# KiCad board Thermal_Camera.kicad_pcb (continued)
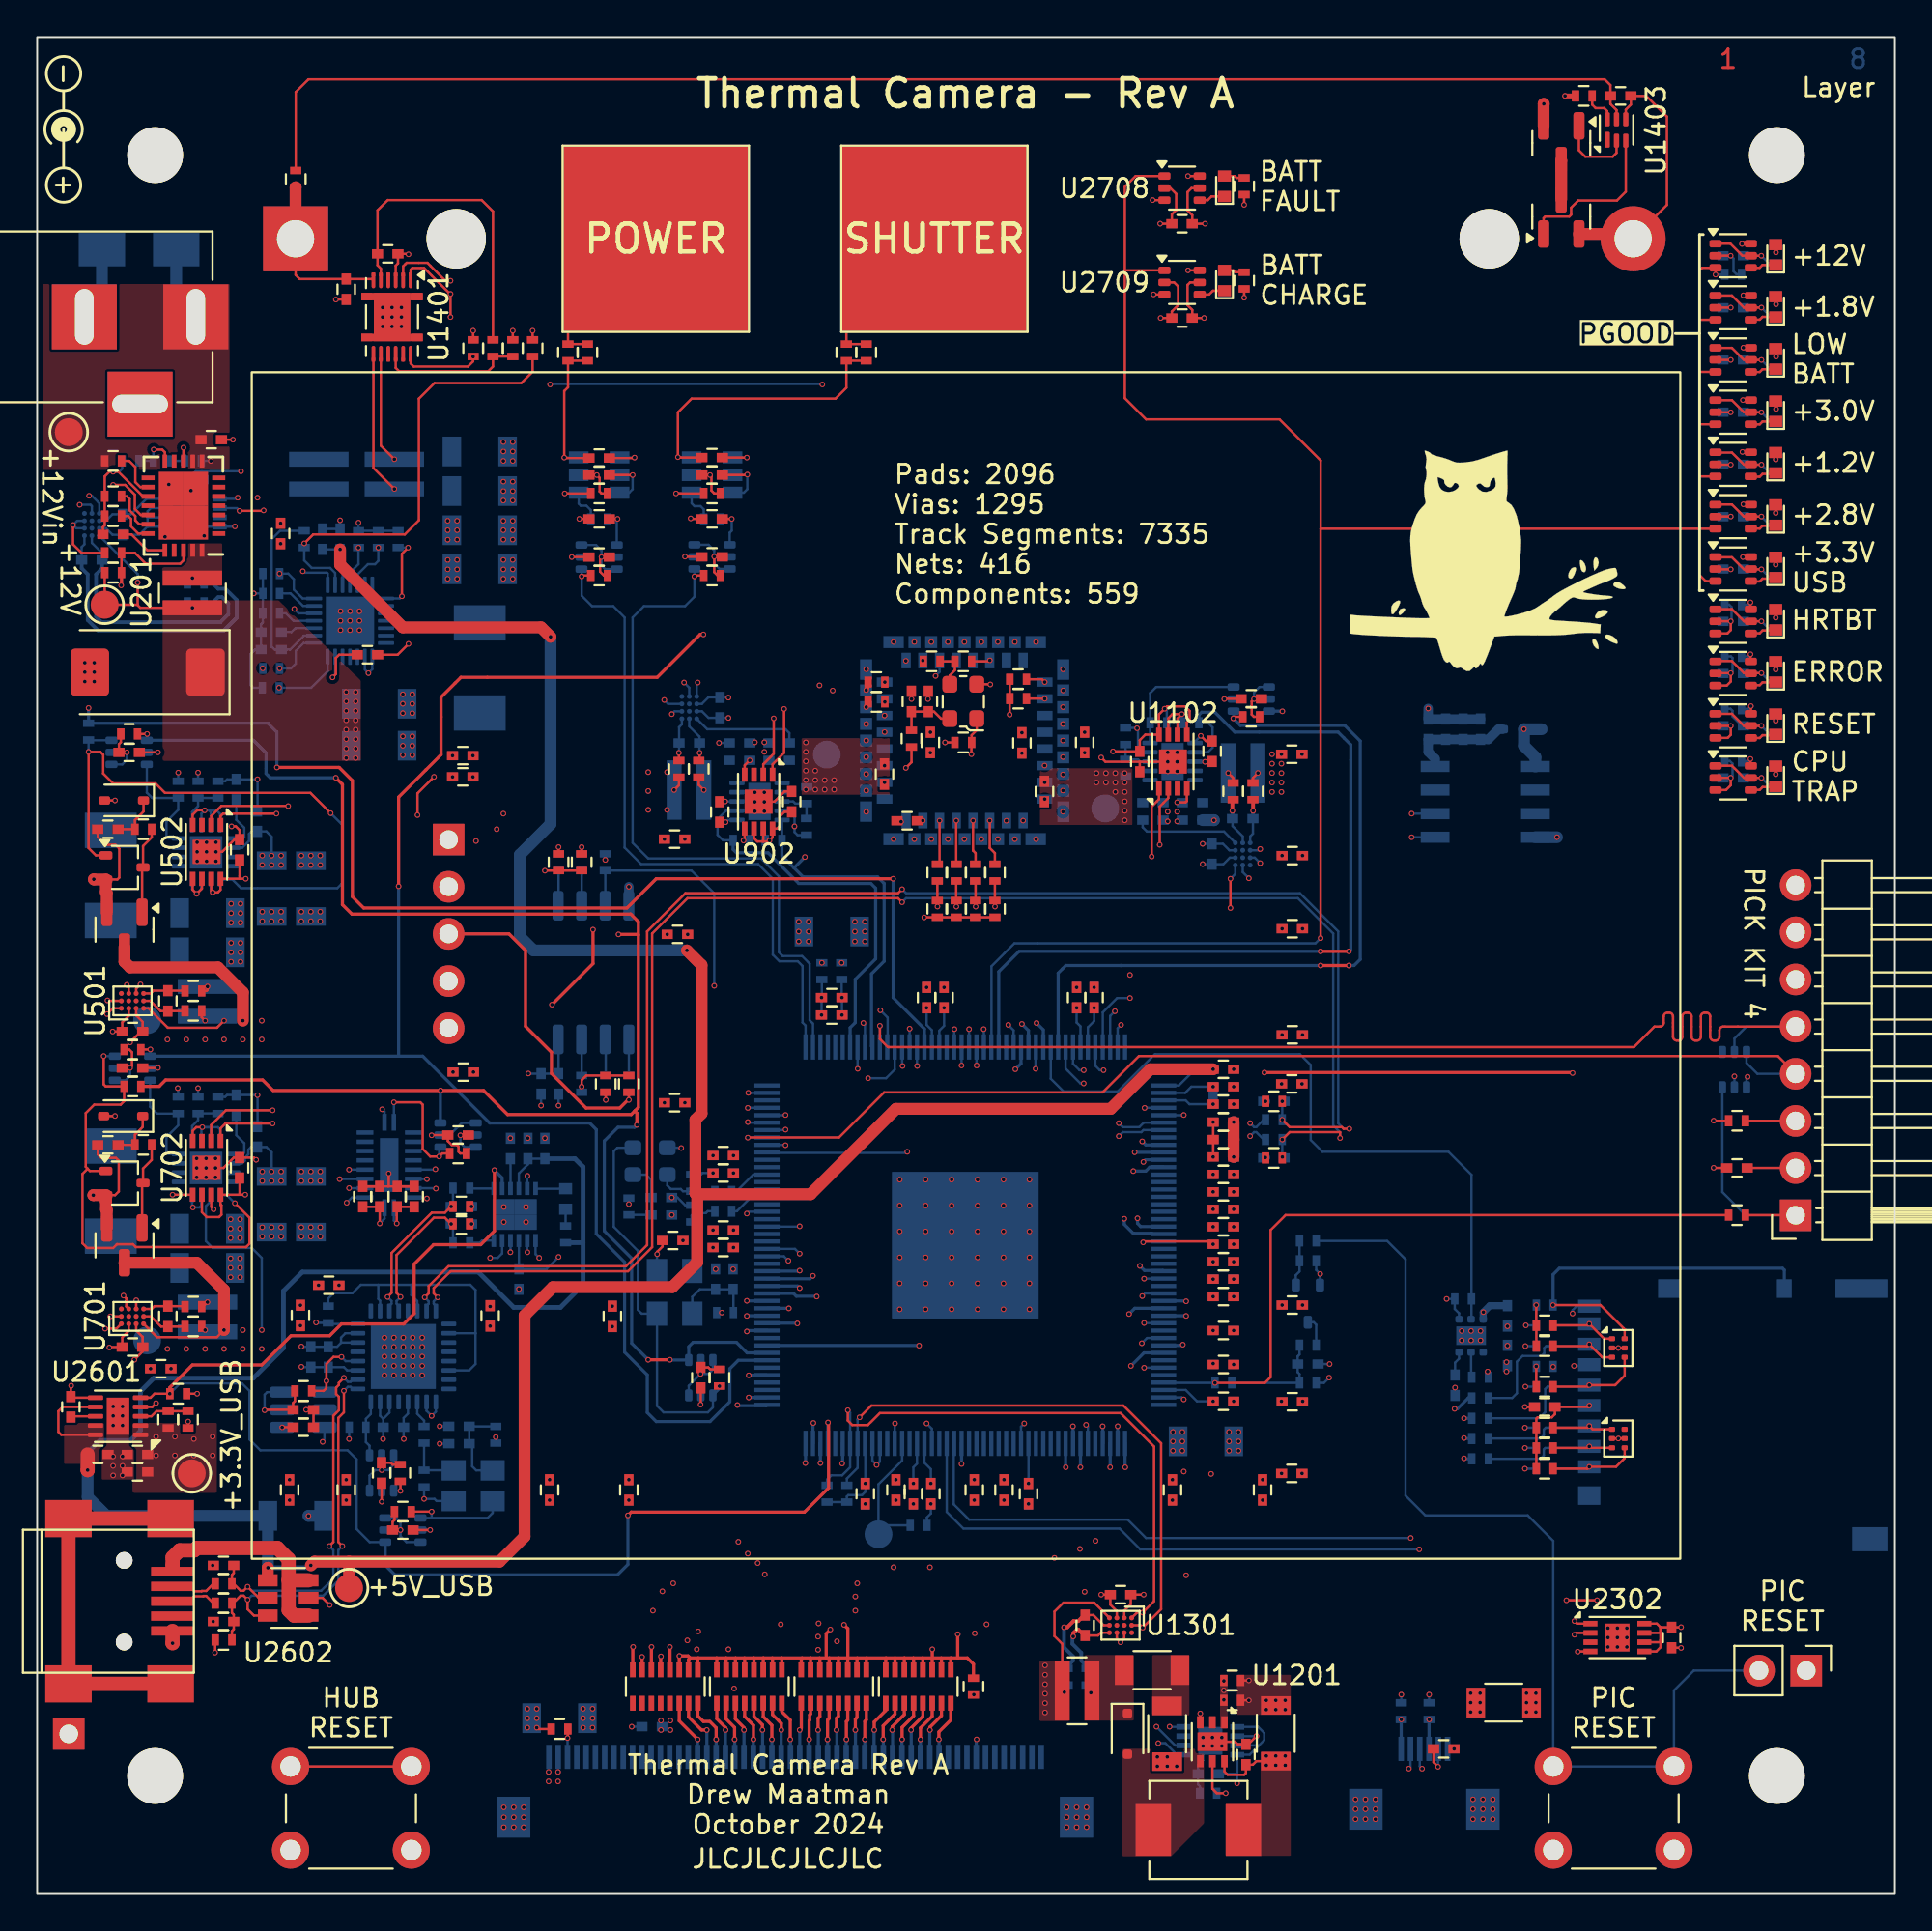
[diagram p0: board, top side]
## Routing (per net, layer and track width the routed paths; a pad name or vN(x,y) marks a point on that pad's centre or on a via; arc(x,y) is an arc through that point) (continued)
  Bottom w0.169: U1701.30 52.96,44.72 v1(52.65,44.41) ; R2008.2 v1(76.81,25.62)
SDHC_SDCK: length 42.4
  In5.Cu w0.169: v1(59.08,39.94) 59.16,39.87 62.46,39.87 63.12,39.21 67.75,39.21 arc(67.87,39.26) 67.92,39.38 67.92,39.49 arc(67.97,39.61) 68.1,39.67 68.18,39.67 arc(68.3,39.61) 68.35,39.49 68.35,39.38 arc(68.4,39.26) 68.53,39.21 68.61,39.21 arc(68.73,39.26) 68.78,39.38 68.78,39.49 arc(68.83,39.61) 68.96,39.67 69.04,39.67 arc(69.16,39.61) 69.21,39.49 69.21,39.38 arc(69.26,39.26) 69.39,39.21 69.47,39.21 arc(69.59,39.26) 69.64,39.38 69.64,39.49 arc(69.69,39.61) 69.82,39.67 69.9,39.67 arc(70.02,39.61) 70.07,39.49 70.07,39.38 arc(70.12,39.26) 70.25,39.21 70.33,39.21 arc(70.45,39.26) 70.5,39.38 70.5,39.49 arc(70.55,39.61) 70.68,39.67 70.76,39.67 arc(70.88,39.61) 70.93,39.49 70.93,39.38 arc(70.98,39.26) 71.11,39.21 71.19,39.21 arc(71.31,39.26) 71.36,39.38 71.36,39.49 arc(71.41,39.61) 71.54,39.67 71.62,39.67 arc(71.74,39.61) 71.79,39.49 71.79,39.38 arc(71.84,39.26) 71.97,39.21 72.05,39.21 arc(72.17,39.26) 72.22,39.38 72.22,39.49 arc(72.27,39.61) 72.4,39.67 72.48,39.67 arc(72.6,39.61) 72.65,39.49 72.65,39.38 arc(72.7,39.26) 72.83,39.21 72.91,39.21 arc(73.03,39.26) 73.08,39.38 73.08,39.49 arc(73.13,39.61) 73.26,39.67 73.34,39.67 arc(73.46,39.61) 73.51,39.49 73.51,39.38 arc(73.56,39.26) 73.69,39.21 73.77,39.21 arc(73.89,39.26) 73.94,39.38 73.94,39.49 arc(73.99,39.61) 74.12,39.67 74.2,39.67 arc(74.32,39.61) 74.37,39.49 74.37,39.38 arc(74.42,39.26) 74.55,39.21 74.63,39.21 arc(74.75,39.26) 74.8,39.38 74.8,39.49 arc(74.85,39.61) 74.98,39.67 75.06,39.67 arc(75.18,39.61) 75.23,39.49 75.23,39.38 arc(75.28,39.26) 75.41,39.21 80.26,39.21 81.15,38.32 81.15,28.16 81.11,28.12 81.11,27.56 80.87,27.32 v1(80.11,27.32)
  Bottom w0.127: R2004.2 v1(80.11,27.32)
  Bottom w0.169: U1701.54 60.63,39.93 59.09,39.93 v1(59.08,39.94)
SDHC_SDCMD: length 40.7
  In5.Cu w0.169: v1(59.36,33.82) 59.52,33.82 60.03,33.32 60.03,32.95 59.77,32.7 59.23,32.7 58.93,32.4 58.93,31.74 59.11,31.56 59.89,31.56 60.22,31.23 60.22,30.54 59.97,30.29 58.88,30.29 58.55,29.96 58.55,29.32 58.75,29.12 75.29,29.12 75.29,29.1 78.21,26.17 78.21,23.05 78.97,22.29 80.77,22.29 81.08,22.59 81.08,24.78 80.75,25.11 v1(80.09,25.11)
  Bottom w0.127: R2003.2 v1(80.09,25.11)
  Bottom w0.169: U1701.70 60.6,33.57 59.61,33.57 v1(59.36,33.82)
SDHC_SDDATA0: length 42.3
  In5.Cu w0.169: v1(59.23,36.39) 65.68,36.39 arc(65.8,36.43) 65.85,36.55 65.85,36.64 arc(65.9,36.76) 66.02,36.81 66.1,36.81 arc(66.22,36.76) 66.27,36.64 66.27,36.13 arc(66.32,36.01) 66.44,35.97 66.52,35.97 arc(66.64,36.01) 66.69,36.13 66.69,36.64 arc(66.74,36.76) 66.86,36.81 66.94,36.81 arc(67.06,36.76) 67.11,36.64 67.11,36.13 arc(67.16,36.01) 67.28,35.97 67.36,35.97 arc(67.48,36.01) 67.53,36.13 67.53,36.64 arc(67.58,36.76) 67.7,36.81 67.78,36.81 arc(67.9,36.76) 67.95,36.64 67.95,36.13 arc(68,36.01) 68.12,35.97 68.2,35.97 arc(68.32,36.01) 68.37,36.13 68.37,36.64 arc(68.42,36.76) 68.54,36.81 68.62,36.81 arc(68.74,36.76) 68.79,36.64 68.79,36.13 arc(68.84,36.01) 68.96,35.97 69.04,35.97 arc(69.16,36.01) 69.21,36.13 69.21,36.64 arc(69.26,36.76) 69.38,36.81 69.46,36.81 arc(69.58,36.76) 69.63,36.64 69.63,36.13 arc(69.68,36.01) 69.8,35.97 69.88,35.97 arc(70,36.01) 70.05,36.13 70.05,36.64 arc(70.1,36.76) 70.22,36.81 70.3,36.81 arc(70.42,36.76) 70.47,36.64 70.47,36.13 arc(70.52,36.01) 70.64,35.97 70.72,35.97 arc(70.84,36.01) 70.89,36.13 70.89,36.64 arc(70.94,36.76) 71.06,36.81 71.14,36.81 arc(71.26,36.76) 71.31,36.64 71.31,36.13 arc(71.36,36.01) 71.48,35.97 71.56,35.97 arc(71.68,36.01) 71.73,36.13 71.73,36.64 arc(71.78,36.76) 71.9,36.81 71.98,36.81 arc(72.1,36.76) 72.15,36.64 72.15,36.13 arc(72.2,36.01) 72.32,35.97 72.4,35.97 arc(72.52,36.01) 72.57,36.13 72.57,36.64 arc(72.62,36.76) 72.74,36.81 72.82,36.81 arc(72.94,36.76) 72.99,36.64 72.99,36.13 arc(73.04,36.01) 73.16,35.97 73.24,35.97 arc(73.36,36.01) 73.41,36.13 73.41,36.64 arc(73.46,36.76) 73.58,36.81 73.66,36.81 arc(73.78,36.76) 73.83,36.64 73.83,36.55 arc(73.88,36.43) 74,36.39 77.9,36.39 78.59,35.7 78.59,30.37 78.92,30.04 79.58,30.04 v1(80.11,29.5)
  Bottom w0.127: R2005.2 v1(80.11,29.5)
  Bottom w0.169: v1(59.23,36.39) 59.23,36.11 59.4,35.94 U1701.64
SDHC_SDDATA1: length 42.3
  In5.Cu w0.169: v1(80.14,30.62) 79.6,31.15 79.6,36.49 78.74,37.35 78.63,37.35 arc(78.54,37.39) 78.5,37.49 78.5,37.65 arc(78.46,37.75) 78.36,37.79 78.29,37.79 arc(78.2,37.75) 78.16,37.65 78.16,37.49 arc(78.12,37.39) 78.02,37.35 77.95,37.35 arc(77.86,37.39) 77.82,37.49 77.82,37.65 arc(77.78,37.75) 77.68,37.79 77.61,37.79 arc(77.52,37.75) 77.48,37.65 77.48,37.49 arc(77.44,37.39) 77.34,37.35 77.27,37.35 arc(77.18,37.39) 77.14,37.49 77.14,37.65 arc(77.1,37.75) 77,37.79 76.93,37.79 arc(76.84,37.75) 76.8,37.65 76.8,37.49 arc(76.76,37.39) 76.66,37.35 76.59,37.35 arc(76.5,37.39) 76.46,37.49 76.46,37.65 arc(76.42,37.75) 76.32,37.79 76.25,37.79 arc(76.16,37.75) 76.12,37.65 76.12,37.49 arc(76.08,37.39) 75.98,37.35 75.91,37.35 arc(75.82,37.39) 75.78,37.49 75.78,37.65 arc(75.74,37.75) 75.64,37.79 75.57,37.79 arc(75.48,37.75) 75.44,37.65 75.44,37.49 arc(75.4,37.39) 75.3,37.35 75.23,37.35 arc(75.14,37.39) 75.1,37.49 75.1,37.65 arc(75.06,37.75) 74.96,37.79 74.89,37.79 arc(74.8,37.75) 74.76,37.65 74.76,37.49 arc(74.72,37.39) 74.62,37.35 74.55,37.35 arc(74.46,37.39) 74.42,37.49 74.42,37.65 arc(74.38,37.75) 74.28,37.79 74.21,37.79 arc(74.12,37.75) 74.08,37.65 74.08,37.49 arc(74.04,37.39) 73.94,37.35 73.87,37.35 arc(73.78,37.39) 73.74,37.49 73.74,37.65 arc(73.7,37.75) 73.6,37.79 73.53,37.79 arc(73.44,37.75) 73.4,37.65 73.4,37.49 arc(73.36,37.39) 73.26,37.35 73.19,37.35 arc(73.1,37.39) 73.06,37.49 73.06,37.65 arc(73.02,37.75) 72.92,37.79 72.85,37.79 arc(72.76,37.75) 72.72,37.65 72.72,37.49 arc(72.68,37.39) 72.58,37.35 72.51,37.35 arc(72.42,37.39) 72.38,37.49 72.38,37.65 arc(72.34,37.75) 72.24,37.79 72.17,37.79 arc(72.08,37.75) 72.04,37.65 72.04,37.49 arc(72,37.39) 71.9,37.35 71.83,37.35 arc(71.74,37.39) 71.7,37.49 71.7,37.65 arc(71.66,37.75) 71.56,37.79 71.49,37.79 arc(71.4,37.75) 71.36,37.65 71.36,37.49 arc(71.32,37.39) 71.22,37.35 71.15,37.35 arc(71.06,37.39) 71.02,37.49 71.02,37.65 arc(70.98,37.75) 70.88,37.79 70.81,37.79 arc(70.72,37.75) 70.68,37.65 70.68,37.49 arc(70.64,37.39) 70.54,37.35 70.47,37.35 arc(70.38,37.39) 70.34,37.49 70.34,37.65 arc(70.3,37.75) 70.2,37.79 70.13,37.79 arc(70.04,37.75) 70,37.65 70,37.49 arc(69.96,37.39) 69.86,37.35 69.79,37.35 arc(69.7,37.39) 69.66,37.49 69.66,37.65 arc(69.62,37.75) 69.52,37.79 69.45,37.79 arc(69.36,37.75) 69.32,37.65 69.32,37.49 arc(69.28,37.39) 69.18,37.35 69.11,37.35 arc(69.02,37.39) 68.98,37.49 68.98,37.65 arc(68.94,37.75) 68.84,37.79 68.77,37.79 arc(68.68,37.75) 68.64,37.65 68.64,37.49 arc(68.6,37.39) 68.5,37.35 68.43,37.35 arc(68.34,37.39) 68.3,37.49 68.3,37.65 arc(68.26,37.75) 68.16,37.79 68.09,37.79 arc(68,37.75) 67.96,37.65 67.96,37.49 arc(67.92,37.39) 67.82,37.35 67.75,37.35 arc(67.66,37.39) 67.62,37.49 67.62,37.65 arc(67.58,37.75) 67.48,37.79 67.41,37.79 arc(67.32,37.75) 67.28,37.65 67.28,37.49 arc(67.24,37.39) 67.14,37.35 67.07,37.35 arc(66.98,37.39) 66.94,37.49 66.94,37.65 arc(66.9,37.75) 66.8,37.79 66.73,37.79 arc(66.64,37.75) 66.6,37.65 66.6,37.49 arc(66.56,37.39) 66.46,37.35 66.39,37.35 arc(66.3,37.39) 66.26,37.49 66.26,37.65 arc(66.22,37.75) 66.12,37.79 66.05,37.79 arc(65.96,37.75) 65.92,37.65 65.92,37.49 arc(65.88,37.39) 65.78,37.35 62.59,37.35 60.99,38.95 59.03,38.95 v1(59,38.93)
  Bottom w0.127: R2006.2 v1(80.14,30.62)
  Bottom w0.169: U1701.56 59.89,39.14 59.68,38.93 v1(59,38.93)
SDHC_SDDATA2: length 42.3
  In5.Cu w0.169: v1(58.52,36.36) 58.95,35.93 61.75,35.93 63.14,34.53 65.82,34.53 arc(65.99,34.6) 66.06,34.77 66.06,35.01 arc(66.13,35.18) 66.3,35.25 66.42,35.25 arc(66.59,35.18) 66.66,35.01 66.66,34.77 arc(66.73,34.6) 66.9,34.53 67.02,34.53 arc(67.19,34.6) 67.26,34.77 67.26,35.01 arc(67.33,35.18) 67.5,35.25 67.62,35.25 arc(67.79,35.18) 67.86,35.01 67.86,34.77 arc(67.93,34.6) 68.1,34.53 68.22,34.53 arc(68.39,34.6) 68.46,34.77 68.46,35.01 arc(68.53,35.18) 68.7,35.25 68.82,35.25 arc(68.99,35.18) 69.06,35.01 69.06,34.77 arc(69.13,34.6) 69.3,34.53 69.42,34.53 arc(69.59,34.6) 69.66,34.77 69.66,35.01 arc(69.73,35.18) 69.9,35.25 70.02,35.25 arc(70.19,35.18) 70.26,35.01 70.26,34.77 arc(70.33,34.6) 70.5,34.53 70.62,34.53 arc(70.79,34.6) 70.86,34.77 70.86,35.01 arc(70.93,35.18) 71.1,35.25 71.22,35.25 arc(71.39,35.18) 71.46,35.01 71.46,34.77 arc(71.53,34.6) 71.7,34.53 71.82,34.53 arc(71.99,34.6) 72.06,34.77 72.06,35.01 arc(72.13,35.18) 72.3,35.25 72.42,35.25 arc(72.59,35.18) 72.66,35.01 72.66,34.77 arc(72.73,34.6) 72.9,34.53 76.38,34.53 76.99,33.92 76.99,31.74 76.23,30.98 76.23,29.2 78.97,26.45 78.97,23.25 79.32,22.9 v1(80.09,22.9)
  Bottom w0.127: R2001.2 v1(80.09,22.9)
  Bottom w0.169: U1701.65 60.03,35.54 59.99,35.58 59,35.58 58.52,36.06 v1(58.52,36.36)
SDHC_SDDATA3: length 42.2
  In5.Cu w0.169: v1(80.09,24.02) 79.78,24.02 79.6,24.19 79.6,28.23 80.75,29.38 80.75,30.82 80.09,31.48 80.09,37.12 78.92,38.29 75.33,38.29 arc(75.22,38.33) 75.18,38.44 75.18,38.48 arc(75.14,38.59) 75.03,38.63 74.96,38.63 arc(74.85,38.59) 74.81,38.48 74.81,38.44 arc(74.77,38.33) 74.66,38.29 74.59,38.29 arc(74.48,38.33) 74.44,38.44 74.44,38.48 arc(74.4,38.59) 74.29,38.63 74.22,38.63 arc(74.11,38.59) 74.07,38.48 74.07,38.44 arc(74.03,38.33) 73.92,38.29 73.85,38.29 arc(73.74,38.33) 73.7,38.44 73.7,38.48 arc(73.66,38.59) 73.55,38.63 73.48,38.63 arc(73.37,38.59) 73.33,38.48 73.33,38.44 arc(73.29,38.33) 73.18,38.29 73.11,38.29 arc(73,38.33) 72.96,38.44 72.96,38.48 arc(72.92,38.59) 72.81,38.63 72.74,38.63 arc(72.63,38.59) 72.59,38.48 72.59,38.44 arc(72.55,38.33) 72.44,38.29 72.37,38.29 arc(72.26,38.33) 72.22,38.44 72.22,38.48 arc(72.18,38.59) 72.07,38.63 72,38.63 arc(71.89,38.59) 71.85,38.48 71.85,38.44 arc(71.81,38.33) 71.7,38.29 71.63,38.29 arc(71.52,38.33) 71.48,38.44 71.48,38.48 arc(71.44,38.59) 71.33,38.63 71.26,38.63 arc(71.15,38.59) 71.11,38.48 71.11,38.44 arc(71.07,38.33) 70.96,38.29 70.89,38.29 arc(70.78,38.33) 70.74,38.44 70.74,38.48 arc(70.7,38.59) 70.59,38.63 70.52,38.63 arc(70.41,38.59) 70.37,38.48 70.37,38.44 arc(70.33,38.33) 70.22,38.29 70.15,38.29 arc(70.04,38.33) 70,38.44 70,38.48 arc(69.96,38.59) 69.85,38.63 69.78,38.63 arc(69.67,38.59) 69.63,38.48 69.63,38.44 arc(69.59,38.33) 69.48,38.29 69.41,38.29 arc(69.3,38.33) 69.26,38.44 69.26,38.48 arc(69.22,38.59) 69.11,38.63 69.04,38.63 arc(68.93,38.59) 68.89,38.48 68.89,38.44 arc(68.85,38.33) 68.74,38.29 68.67,38.29 arc(68.56,38.33) 68.52,38.44 68.52,38.48 arc(68.48,38.59) 68.37,38.63 68.3,38.63 arc(68.19,38.59) 68.15,38.48 68.15,38.44 arc(68.11,38.33) 68,38.29 67.93,38.29 arc(67.82,38.33) 67.78,38.44 67.78,38.48 arc(67.74,38.59) 67.63,38.63 67.56,38.63 arc(67.45,38.59) 67.41,38.48 67.41,38.44 arc(67.37,38.33) 67.26,38.29 62.74,38.29 61.61,39.42 v1(59.55,39.42)
  Bottom w0.127: R2002.2 v1(80.09,24.02)
  Bottom w0.169: U1701.55 59.67,39.54 v1(59.55,39.42)
UFP_USB_D+: length 21.6
  Top w0.127: v1(16.43,18.73) 16.21,18.95 16.21,25.64 16.51,25.93 v1(16.51,27.09) ; R2606.2 10.48,14.15 10.58,14.25 C2604.1 10.58,15.03 10.48,15.13 R2602.2 10.55,15.66 10.95,16.06 11.11,16.06 v1(11.33,15.84) 11.33,15.33 11.67,14.99 U2602.6
  Bottom w0.127: v1(11.33,15.84) 11.54,16.06 15.4,16.06 16.21,16.87 16.21,18.52 v1(16.43,18.73) ; v1(16.51,27.09) 16.73,27.31 16.87,27.31 16.99,27.19 U2504.1
UFP_USB_D-: length 20.7
  Top w0.127: v1(15.73,18.73) 15.94,18.95 15.94,25.75 16.24,26.05 16.24,26.77 16.09,26.92 16.09,27.27 16.24,27.41 16.24,27.52 v1(16.51,27.79) ; U2602.5 11.93,15.94 v1(11.33,16.54) 11.11,16.33 10.95,16.33 10.58,16.7 R2603.2 10.48,17.18 10.58,17.28 C2606.1
  Bottom w0.127: U2504.2 16.99,27.69 16.87,27.58 16.73,27.58 v1(16.51,27.79) ; v1(15.73,18.73) 15.94,18.52 15.94,16.99 15.29,16.33 11.54,16.33 v1(11.33,16.54)
USB_UART_RX: length 44.6
  In5.Cu w0.169: v1(16.66,37.22) 16.89,37.45 18.49,37.45 18.9,37.05 18.9,34.51 19.74,33.67 21.21,33.67 22.78,32.09 37.72,32.09 40.54,34.91 40.54,38.04 42.01,39.51 42.01,43.09 42.85,43.93 v1(44.73,43.93)
  Bottom w0.127: U2203.2 16.94,37.51 v1(16.66,37.22) ; U1701.13 46.16,44.4 45.69,43.93 v1(44.73,43.93)
USB_UART_RX_BUF: length 10.7
  In5.Cu w0.169: v1(27.03,34.25) 26.85,34.07 25.07,34.07 24.89,34.25 24.89,35.65 24.43,36.11 24.43,37.12 24.08,37.48 21.01,37.48 v1(20.98,37.45)
  Bottom w0.127: U2201.7 26.83,34.45 v1(27.03,34.25) ; U2203.19 20.93,37.51 v1(20.98,37.45)
USB_UART_TX: length 45
  In5.Cu w0.169: v1(44.17,44.44) 42.65,44.44 41.58,43.37 41.58,39.74 40.08,38.24 40.08,35.37 37.72,33.01 31.9,33.01 31.39,33.52 30.12,33.52 arc(29.95,33.45) 29.88,33.28 29.88,32.85 arc(29.81,32.68) 29.64,32.61 29.52,32.61 arc(29.35,32.68) 29.28,32.85 29.28,33.28 arc(29.21,33.45) 29.04,33.52 28.92,33.52 arc(28.75,33.45) 28.68,33.28 28.68,32.85 arc(28.61,32.68) 28.44,32.61 28.32,32.61 arc(28.15,32.68) 28.08,32.85 28.08,33.28 arc(28.01,33.45) 27.84,33.52 27.72,33.52 arc(27.55,33.45) 27.48,33.28 27.48,32.85 arc(27.41,32.68) 27.24,32.61 27.12,32.61 arc(26.95,32.68) 26.88,32.85 26.88,33.28 arc(26.81,33.45) 26.64,33.52 22.66,33.52 19.86,36.31 19.86,37.66 19.51,38.01 v1(16.79,38.01)
  Bottom w0.127: U2203.3 16.79,38.01 v1(16.79,38.01) ; U1701.8 44.16,44.45 v1(44.17,44.44)
USB_UART_TX_BUF: length 9.3
  In5.Cu w0.169: v1(21.46,37.99) 25.2,37.99 25.68,37.5 25.68,34.76 v1(25.48,34.56)
  Bottom w0.127: v1(21.46,37.99) 21.44,38.01 U2203.18 ; v1(25.48,34.56) 25.48,34.56 U2201.10
VCOM: length 12.1
  Top w0.127: U1201.6 63.91,6.58 64.08,6.41 64.97,6.41 65.07,6.51 C1202.1 65.44,6.96 65.63,7.15 C1201.1
  Bottom w0.127: C604.1 12.62,39.94 12.34,40.22 C606.1 11.51,40.22 11.37,40.08 11.37,39.83 11.18,39.64 11.18,39.48 11.04,39.35 U602.10 ; C404.1 12.62,56.93 12.34,57.22 C406.1 11.54,57.22 11.4,57.09 11.4,56.71 11.05,56.35 U402.10
  vias: v1(6.1,28.28) v1(12.12,55.92) v1(12.12,55.41) v1(12.12,38.9) v1(12.12,38.39) v1(12.62,55.92) v1(12.62,55.41) v1(12.62,38.9) v1(12.62,38.39) v1(13.11,72.72) v1(13.13,55.92) v1(13.13,55.41) v1(13.13,38.9) v1(13.13,38.39) v1(13.59,21.21) v1(14.17,31.7) v1(14.22,55.92) v1(14.22,55.41) v1(14.22,38.9) v1(14.22,38.39) v1(14.73,55.92) v1(14.73,55.41) v1(14.73,38.9) v1(14.73,38.39) v1(15.15,32.78) v1(15.24,55.92) v1(15.24,55.41) v1(15.24,38.9) v1(15.24,38.39) v1(16.64,21.21) v1(22.1,73.95) v1(22.1,73.44) v1(22.1,72.94) v1(22.1,71.84) v1(22.1,71.34) v1(22.1,70.83) v1(22.36,61.3) v1(22.36,60.16) v1(22.39,44.26) v1(22.61,73.95) v1(22.61,73.44) v1(22.61,72.94) v1(22.61,71.84) v1(22.61,71.34) v1(22.61,70.83) v1(27.58,21.21) v1(31.85,21.21) v1(46.23,21.21) v1(50.44,21.21) v1(52.04,21.21) v1(61.11,21.21) v1(65.96,21.21) v1(66.17,7.43) v1(66.17,6.92) v1(66.68,7.43) v1(66.68,6.92) v1(67.18,7.43) v1(67.18,6.92)
VLED_SNS+: length 4.5
  Top w0.127: C1301.1 57.11,13.92 57.26,14.07 U1301.D3
  Top w0.2: C1301.1 56.36,13.92 56.04,14.24 55.97,14.24 55.77,14.04 v1(55.77,13.86)
  Bottom w0.2: v1(55.77,13.86) 55.73,13.82 55.73,13.46 56.21,12.98 56.21,12.56 56.52,12.25 R1204.1
VLED_SNS-: length 5.5
  Top w0.127: U1301.D2 57.4,14.47 56.85,15.02 C1301.2
  Top w0.2: v1(55.28,14.36) 55.45,14.36 55.79,14.69 56.04,14.69 56.36,15.02 C1301.2
  Bottom w0.2: R1206.1 55.45,12.25 55.76,12.56 55.76,12.8 55.28,13.28 v1(55.28,14.36)
VMEM_REF: length 5
  Top w0.127: v1(63.31,34.99) 63.15,35.14 59.59,35.14 v1(59.54,35.09)
  Bottom w0.127: U1701.66 59.59,35.14 v1(59.54,35.09)
~{BATT_CEN}: length 64.5
  In2.Cu w0.127: v1(50.16,46.57) 49.61,46.01 27.28,46.01 25.83,47.46 25.83,58.31 25.04,59.09 15.06,59.09 14.48,59.68 14.48,64.86 13.75,65.58 12.88,65.58 12.63,65.83 12.63,70.69 v1(13.05,71.11)
  Bottom w0.127: v1(50.16,46.57) 50.16,46.57 U1701.23 ; U1402.14 14.29,69.77 13.82,70.24 13.82,70.8 13.51,71.11 v1(13.05,71.11)
~{BATT_CHG}: length 114.5
  Top w0.127: v1(19.63,69.89) 19.63,72.17 v1(19.96,72.5) ; U2709.6 v1(61.95,87.44)
  In2.Cu w0.127: v1(23.62,56.71) 23.62,46.47 25.24,44.85 45.15,44.85 45.42,44.59 v1(46.58,44.59)
  In5.Cu w0.127: v1(23.62,56.71) 25.2,56.71 26.06,57.57 26.06,68.31 24.49,69.89 v1(19.63,69.89) ; v1(61.95,87.44) 61.95,83.45 61.04,82.54 23.93,82.54 19.96,78.58 v1(19.96,72.5)
  Bottom w0.127: v1(19.63,69.89) 19.51,69.77 U1402.22 ; U1701.14 46.56,44.61 v1(46.58,44.59) ; R1409.2 19.44,72.5 v1(19.96,72.5)
~{BATT_DOK}: length 55.3
  In2.Cu w0.127: v1(13.05,66) 13.07,66.03 14.15,66.03 15.06,65.11 15.06,60.26 15.7,59.63 25.58,59.63 26.19,59.02 26.19,47.94 27.8,46.33 46.7,46.33 v1(46.96,46.6)
  Bottom w0.127: v1(46.96,46.6) 46.96,46.59 U1701.15 ; v1(13.05,66) 13.67,66 13.92,66.26 13.92,66.94 14.34,67.37 U1402.8
~{BATT_FLT}: length 129.5
  Top w0.127: U2708.6 v1(61.95,92.52)
  In2.Cu w0.127: v1(57.4,44.36) 56.06,45.71 26.82,45.71 25.43,47.1 25.43,57.85 v1(25.1,58.18)
  In5.Cu w0.127: v1(61.95,92.52) 61.37,91.94 61.37,84.37 60.21,83.21 23.18,83.21 18.21,78.24 18.21,74 17.3,73.09 v1(17.3,72.5) 18.24,71.56 18.24,69.43 18.95,68.72 24.05,68.72 25.1,67.68 v1(25.1,58.18)
  Bottom w0.127: R1404.2 17.3,71.62 16.84,71.16 U1402.18 ; v1(57.4,44.36) 57.2,44.36 56.96,44.6 U1701.40
~{BATT_UOK}: length 70
  In2.Cu w0.127: v1(56.34,43.65) 54.53,45.45 26.16,45.45 24.87,46.75 24.87,57.21 v1(24.74,57.34)
  In5.Cu w0.127: v1(24.74,57.34) 24.85,57.34 25.6,58.1 25.6,67.81 24.18,69.23 19.23,69.23 18.9,69.56 18.9,71.97 v1(18.36,72.5)
  Bottom w0.127: U1402.19 17.24,71.05 17.81,71.62 18.19,71.62 18.36,71.79 R1405.2 ; U1701.36 55.36,44.45 56.16,43.65 v1(56.34,43.65)
~{FLASH_SPI_CS}: length 31.9
  Top w0.127: R2024.2 v1(28.07,56.38)
  In5.Cu w0.169: J2002.1 22.66,56.27 23.8,56.27 23.91,56.38 v1(28.07,56.38) 28.07,49.87 28.96,48.98 29.96,48.98 arc(30.13,48.91) 30.2,48.74 30.2,48.16 arc(30.27,47.99) 30.44,47.92 30.56,47.92 arc(30.73,47.99) 30.8,48.16 30.8,48.74 arc(30.87,48.91) 31.04,48.98 35.59,48.98 36.45,48.12 36.45,43.32 36.63,43.14 v1(38.28,43.14)
  Bottom w0.127: v1(38.28,43.14) 38.28,43.14 U1701.175 ; v1(28.07,56.38) R2024.2
~{FLASH_SPI_WP}: length 23.8
  In5.Cu w0.169: v1(38.25,41.57) 38.61,41.57 38.94,41.9 38.94,43.37 38.56,43.75 37.39,43.75 37.21,43.93 37.21,48.15 v1(36.45,48.91)
  Bottom w0.127: U1701.171 38.28,41.54 v1(38.25,41.57) ; v1(36.45,48.91) 36.45,53.89 35.22,55.11 R2020.2 U2001.3
~{FLIR_PWR_DWN}: length 20.6
  In5.Cu w0.127: v1(45.63,64.2) 44.87,63.44 44.15,63.44 43.99,63.28 43.99,59.25 43.54,58.79 43.54,51.07 44.58,50.03 44.58,47 v1(44.48,46.9)
  Bottom w0.127: U1701.9 44.56,46.81 v1(44.48,46.9) ; v1(45.63,64.2) 45.62,64.21 U2401.23
~{FLIR_RESET}: length 35.6
  In5.Cu w0.127: v1(41.05,35.95) 41.05,37.94 42.44,39.33 42.44,42.13 43.38,43.07 44.53,43.07 45.19,43.73 45.19,44.59 44.04,45.73 44.04,50.05 43.1,50.99 43.1,59.09 43.59,59.57 43.59,63.64 44.32,64.38 44.76,64.38 45.63,65.25 v1(45.63,65.26)
  Bottom w0.127: U1701.157 41.03,35.94 v1(41.05,35.95) ; U2401.24 v1(45.63,65.26)
~{FLIR_VOSPI_CS}: length 35.6
  Top w0.127: R2402.2 R2413.2
  Top w0.169: R2402.2 48.46,53.18 v1(48.46,53.18)
  In5.Cu w0.169: v1(48.46,53.18) 48.46,53.94 48.82,54.29 52.32,54.29 54.97,51.65 54.97,48.02 55.78,47.21 55.78,35.52 56.92,34.38 60.17,34.38 60.6,33.95 60.6,32.68 60.12,32.19 v1(59.49,32.19)
  Bottom w0.127: v1(59.49,32.19) 59.63,32.34 U1701.73
~{HUB_RESET}: length 4.7
  Top w0.127: v1(16.38,28.92) 15.95,28.92 15.57,28.54 v1(15.57,27.62) 15.57,27.24 15.42,27.09 R2504.2
  Bottom w0.127: v1(16.38,28.92) 16.61,28.69 U2504.4 ; v1(15.57,27.62) 15.57,27.13 U2502.1
~{PIC32MZ_MCLR}: length 38.8
  Top w0.127: L1501.1 67.2,36.56 66.4,35.75 66.4,27.83 66.09,27.52 v1(63.41,27.52)
  Bottom w0.127: v1(63.41,27.52) 60.65,27.52 U1701.85
~{SD_SPI_CS}: length 50.7
  In5.Cu w0.169: v1(53.8,46.9) 53.37,47.33 51.94,47.33 51.58,46.97 51.58,27.73 55.89,23.42 76.78,23.42 v1(76.81,23.46)
  Bottom w0.169: v1(53.8,46.9) 54.16,46.54 U1701.33 ; v1(76.81,23.46) 76.84,23.43 R2007.2
~{SDHC_SDCD}: length 62.4
  Top w0.127: v1(81.6,31.71) 84.15,31.71 85.46,30.41 D2001.6
  In5.Cu w0.169: v1(81.6,31.71) 81.6,39.39 80.85,40.14 79.86,40.14 arc(79.75,40.19) 79.71,40.3 79.71,40.61 arc(79.66,40.72) 79.55,40.76 79.47,40.76 arc(79.36,40.72) 79.32,40.61 79.32,40.3 arc(79.27,40.19) 79.16,40.14 79.08,40.14 arc(78.97,40.19) 78.93,40.3 78.93,40.61 arc(78.88,40.72) 78.77,40.76 78.69,40.76 arc(78.58,40.72) 78.54,40.61 78.54,40.3 arc(78.49,40.19) 78.38,40.14 78.3,40.14 arc(78.19,40.19) 78.15,40.3 78.15,40.61 arc(78.1,40.72) 77.99,40.76 77.91,40.76 arc(77.8,40.72) 77.76,40.61 77.76,40.3 arc(77.71,40.19) 77.6,40.14 77.52,40.14 arc(77.41,40.19) 77.37,40.3 77.37,40.61 arc(77.32,40.72) 77.21,40.76 77.13,40.76 arc(77.02,40.72) 76.98,40.61 76.98,40.3 arc(76.93,40.19) 76.82,40.14 76.74,40.14 arc(76.63,40.19) 76.59,40.3 76.59,40.61 arc(76.54,40.72) 76.43,40.76 76.35,40.76 arc(76.24,40.72) 76.2,40.61 76.2,40.3 arc(76.15,40.19) 76.04,40.14 75.96,40.14 arc(75.85,40.19) 75.81,40.3 75.81,40.61 arc(75.76,40.72) 75.65,40.76 75.57,40.76 arc(75.46,40.72) 75.42,40.61 75.42,40.3 arc(75.37,40.19) 75.26,40.14 75.18,40.14 arc(75.07,40.19) 75.03,40.3 75.03,40.61 arc(74.98,40.72) 74.87,40.76 74.79,40.76 arc(74.68,40.72) 74.64,40.61 74.64,40.3 arc(74.59,40.19) 74.48,40.14 74.4,40.14 arc(74.29,40.19) 74.25,40.3 74.25,40.61 arc(74.2,40.72) 74.09,40.76 74.01,40.76 arc(73.9,40.72) 73.86,40.61 73.86,40.3 arc(73.81,40.19) 73.7,40.14 73.62,40.14 arc(73.51,40.19) 73.47,40.3 73.47,40.61 arc(73.42,40.72) 73.31,40.76 73.23,40.76 arc(73.12,40.72) 73.08,40.61 73.08,40.3 arc(73.03,40.19) 72.92,40.14 72.84,40.14 arc(72.73,40.19) 72.69,40.3 72.69,40.61 arc(72.64,40.72) 72.53,40.76 72.45,40.76 arc(72.34,40.72) 72.3,40.61 72.3,40.3 arc(72.25,40.19) 72.14,40.14 72.06,40.14 arc(71.95,40.19) 71.91,40.3 71.91,40.61 arc(71.86,40.72) 71.75,40.76 71.67,40.76 arc(71.56,40.72) 71.52,40.61 71.52,40.3 arc(71.47,40.19) 71.36,40.14 59.87,40.14 v1(59.49,40.53)
  Bottom w0.169: v1(81.6,31.71) 81.6,33.36 81.94,33.69 93.95,33.69 94.05,33.6 J2001.10 ; U1701.53 59.67,40.34 v1(59.49,40.53)
~{SDHC_SDWP}: length 51.9
  In5.Cu w0.169: v1(81.61,28.38) 81.71,28.28 81.71,22.39 81.08,21.76 55.96,21.76 48.18,29.53 v1(47.47,29.53)
  Bottom w0.169: v1(47.47,29.53) 47.46,29.54 U1701.141
~{USB_ACTIVE}: length 1.6
  Bottom w0.127: U2201.6 26.84,37.98 D2201.1
~{USB_UART_CTS_BUF}: length 11.5
  In5.Cu w0.169: v1(21.44,39.03) 20.7,39.03 20.37,38.7 20.37,37.2 20.68,36.89 21.49,36.89 21.82,36.56 23.67,36.56 23.98,36.26 23.98,35.75 24.38,35.34 v1(24.38,34.25)
  Bottom w0.127: v1(24.38,34.25) 24.79,34.25 25.03,34.49 U2201.11 ; v1(21.44,39.03) 21.42,39.01 U2203.16
~{USB_UART_CTS}: length 45.1
  In5.Cu w0.169: v1(16.79,39) 16.79,39.54 17.42,40.17 arc(17.56,40.23) 17.62,40.36 17.62,40.72 arc(17.67,40.85) 17.81,40.91 17.9,40.91 arc(18.04,40.85) 18.1,40.72 18.1,39.62 arc(18.15,39.49) 18.29,39.43 18.38,39.43 arc(18.52,39.49) 18.58,39.62 18.58,40.72 arc(18.63,40.85) 18.77,40.91 18.86,40.91 arc(19,40.85) 19.06,40.72 19.06,39.62 arc(19.11,39.49) 19.25,39.43 19.34,39.43 arc(19.48,39.49) 19.54,39.62 19.54,40.72 arc(19.59,40.85) 19.73,40.91 19.82,40.91 arc(19.96,40.85) 20.02,40.72 20.02,39.62 arc(20.07,39.49) 20.21,39.43 20.3,39.43 arc(20.44,39.49) 20.5,39.62 20.5,40.37 arc(20.55,40.5) 20.69,40.56 20.78,40.56 arc(20.92,40.5) 20.98,40.37 20.98,40.36 arc(21.03,40.23) 21.17,40.17 24.38,40.17 24.89,39.66 27.23,39.66 27.99,38.9 27.99,35.47 29.24,34.23 31.93,34.23 32.28,33.87 35.36,33.87 35.76,34.28 38.23,34.28 39.5,35.55 39.5,40.68 39.98,41.16 v1(40.28,41.16)
  Bottom w0.127: U2203.5 16.79,39.01 v1(16.79,39) ; v1(40.28,41.16) 40.26,41.14 U1701.170
~{USB_UART_RTS_BUF}: length 10.7
  In5.Cu w0.169: v1(20.98,38.49) 25.7,38.49 26.85,37.35 26.85,35.01 v1(26.39,34.56)
  Bottom w0.127: v1(26.39,34.56) 26.38,34.57 U2201.8 ; U2203.17 20.97,38.51 v1(20.98,38.49)
~{USB_UART_RTS}: length 45.1
  In5.Cu w0.169: v1(16.28,38.49) 16.28,40.6 17.04,41.36 19.89,41.36 arc(20.04,41.43) 20.1,41.58 20.1,42.24 arc(20.17,42.39) 20.32,42.45 20.43,42.45 arc(20.58,42.39) 20.64,42.24 20.64,41.58 arc(20.71,41.43) 20.86,41.36 20.97,41.36 arc(21.12,41.43) 21.18,41.58 21.18,42.24 arc(21.25,42.39) 21.4,42.45 21.51,42.45 arc(21.66,42.39) 21.72,42.24 21.72,41.58 arc(21.79,41.43) 21.94,41.36 22.05,41.36 arc(22.2,41.43) 22.26,41.58 22.26,42.24 arc(22.33,42.39) 22.48,42.45 22.59,42.45 arc(22.74,42.39) 22.8,42.24 22.8,41.58 arc(22.87,41.43) 23.02,41.36 24.13,41.36 25.32,40.17 27.64,40.17 28.65,39.15 28.65,35.75 29.44,34.96 33.68,34.96 34.04,34.61 35.18,34.61 35.84,35.27 38.35,35.27 38.89,35.8 38.89,40.93 39.9,41.95 v1(40.28,41.95)
  Bottom w0.127: U2203.4 16.29,38.51 v1(16.28,38.49) ; v1(40.28,41.95) 40.27,41.94 U1701.172
Net-(C407-Pad1): length 0.5
  Top w0.127: v1(9.17,48.87) 9.17,48.68 9.12,48.63 R405.2
